# Altium PCB main_board.PcbDoc (part 2 of 2)
Units mil, origin at the board's own origin, x right, y up, seen from the top; angles counter-clockwise.
Board outline 11417.32 x 7421.26 mil, 2 copper layers (Top Layer, Bottom Layer); 174 components, 105 nets, 890 pads, 524 vias.
Unrouted connection lines stored in the file: 1.
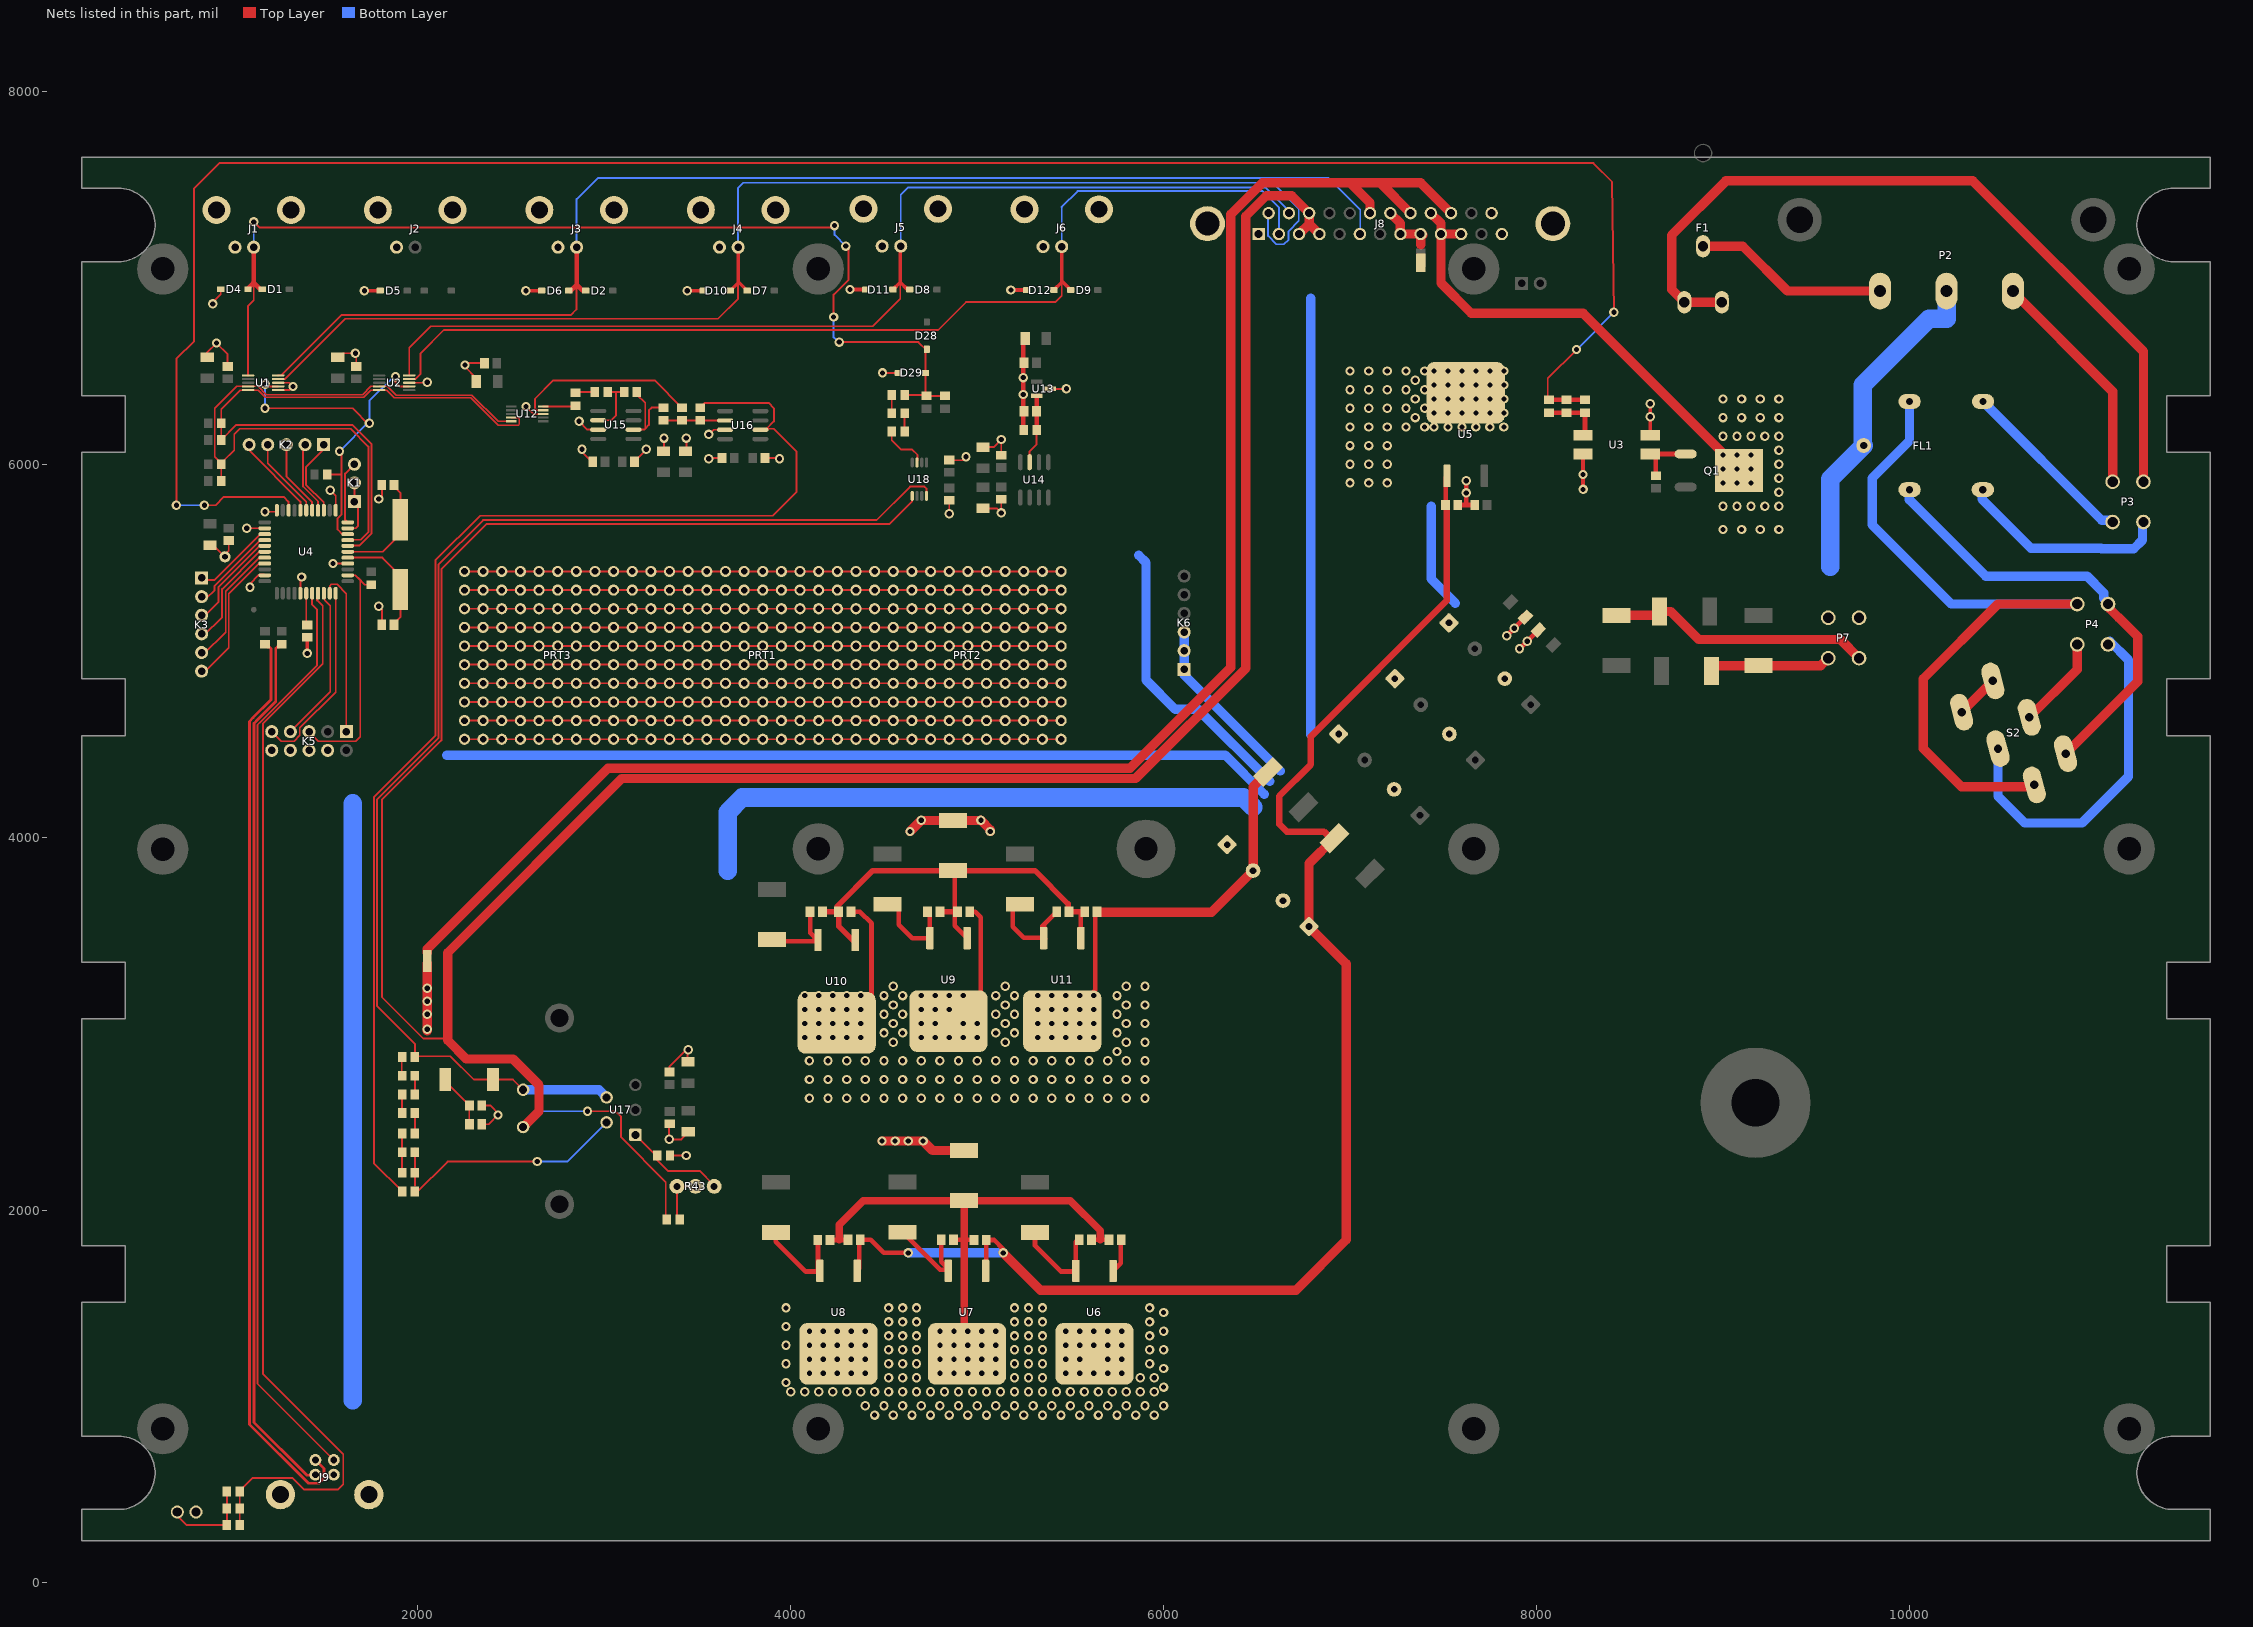
[diagram p2: the nets of this part, all layers, seen from the top]

## Via types
v1: diameter 50, hole 28, Top Layer to Bottom Layer, 524 vias

## Nets (pads, with @x,y where several pads share a name; then routed paths per layer and width w, separated by ;. In a path a pad name is that pad's centre, name@x,y a point inside that pad or via, vN(x,y) a via of type N, cw(c..) or ccw(c..) an arc to the next point about the centre after c; other vN are vias at no path point) (continued)
GND: C1.2 C2.2 C3.2 C4.2 C5.2 C6.2 C7.1 C8.2 C9.2 C10.2 C11.2 C18.2 C19.2 C20.2 C21.2 C22.1 C23.1 C24.1 C25.1 C32.2 C33.2 C34.2 C35.2 C36.2 C37.2 C38.2 C39.2 C40.2 C41.2 C42.2 C43.2 C44.2 C45.2 C46.2 C47.1 C48.1 C49.1 C50.1 C51.1 C52.1 C53.1 C54.1 D4.A D5.A D6.A D10.A D11.A D12.A D13.1 D18.K D21.A D29.A FL1.3 J1.2 J1.A J1.B J2.2 J2.A J2.B J3.2 J3.A J3.B J4.2 J4.A J4.B J5.2 J5.A J5.B J6.2 J6.A J6.B J8.1 J8.13 J8.25 J8.26 J8.27 J9.4 J10.1 K5.4 K5.6 K5.8 K5.10 K6.1 K6.2 K6.3 P2.2 P7.3 P7.4 pad.3 R17.2 R48.2 U1.1 U1.3 U2.3 U3.2 U3.4 U4.5 U4.15 U4.23 U4.33 U4.35 U4.43 U5.2 U12.8 U13.3 U15.3 U16.3 VR1.2 VR2.1 | length 25579.4
  Top Layer w10: C2.2@870,6574.17 870,6600 v1(920,6650) 980,6590 C1.2@980,6522.99 ; v1@900,6870 942.99,6912.99 D4.A@942.99,6938.82 ; C5.2@903.58,5566.42 960,5510 985.47,5535.47 C6.2@985.47,5592.01 ; pad.3@959.49,5509.49 pad.3@965.47,5503.5 ; v1(1082.52,5656.46) U4.35@1179.05,5656.46 ; v1(1100,5340) 1100,5360 1145,5405 1151,5405 1156,5410 1173.54,5410 U4.43@1179.05,5404.49 ; v1(1180,5745) 1236.1,5745 U4.33@1244.02,5752.91 ; U1.1@1250.71,6397.72 1310.63,6397.72 v1(1330,6417.09) 1310,6437.09 U1.3@1250.71,6437.09 ; U4.5@1370,5308.03 v1@1370,5388.98 ; v1(1530,5860) 1560,5830 U4.23@1560,5760 ; v1(1544.49,5467.48) U4.15@1623.94,5467.48 ; C4.2@1580,6575 1600,6595 v1(1665,6595) 1665,6605 1670,6610 C3.2@1670,6522.99 ; v1(1789.76,5238.66) 1808.27,5220.16 C8.2@1808.27,5138.66 ; v1(1789.76,5813.66) 1808.27,5832.17 C9.2@1808.27,5888.66 ; U2.3@1953.62,6437.09 v1@2050,6437.09 ; C35.2@2313.86,6443.78 2313.86,6461.5 2252.84,6522.52 v1(2252.84,6532.36) 2252.84,6542.21 C36.2@2359.13,6542.21 ; C37.2@2340,2460 C37.2@2343,2460 2380,2460 v1(2430,2510) ; C38.2@2343,2560 2390,2560 v1@2435,2515 ; v1(2579.69,6309.37) 2619.06,6270 U12.8@2671.95,6270 ; v1(2865.12,6230.32) 2909.8,6185.63 U15.3@2967.48,6185.63 ; v1(2880,6080) 2880,6066.14 2936.14,6010 C48.1@2939.92,6013.78 ; C40.2@3160.39,6013.78 3225,6078.39 v1(3225,6080) ; C39.2@3310,6070 3320,6080 v1(3320,6140) ; v1(3348,2379) C51.1@3348,2466 ; v1(3348,2379) 3414,2379 C50.1@3452,2417 ; C43.2@3349.5,2740 3349.5,2769.5 v1@3450,2870 ; R48.2@3352.45,2293 3439,2293 v1(3440,2292) ; C47.1@3440,6070 3430,6080 3440,6090 v1(3440,6140) ; C42.2@3445.48,2798.89 3445.48,2855.48 v1(3450,2860) ; v1(3560,6160) 3562.52,6160 3587.36,6184.84 U16.3@3647.99,6184.84 ; v1@3570,6030 3573.47,6033.47 C49.1@3632.84,6033.47 ; C41.2@3861.18,6033.47 3936.54,6033.47 v1(3940,6030) ; v1(4492.52,6490) D29.A@4577.17,6490 ; v1@4845,5735 4850,5740 C45.2@4850,5808.5 ; C53.1@4850,6021.5 4921.5,6021.5 v1@4930,6030 ; C44.2@5030.95,5762.76 5105.75,5762.76 v1(5129.37,5739.13) C46.2@5129.37,5813.94 ; C52.1@5030.95,6091.5 5088.03,6091.5 v1(5129.37,6132.84) C54.1@5129.37,6046.22 ; U13.3@5390.06,6404.27 5477.81,6404.27 v1(5478.58,6405.04)
  Top Layer w20: v1@1370,5388.98 v1(1376.5,5395.47) ; v1(1406.5,4985.47) C7.1@1406.5,5065.47 ; v1(1713.23,6931.02) D5.A@1797.87,6931.02 ; v1(2579.37,6931.02) D6.A@2664.02,6931.02 ; v1(3445.51,6931.02) D10.A@3530.16,6931.02 ; v1(4317.56,6936.93) D11.A@4402.21,6936.93 ; v1(5180.95,6934.17) D12.A@5265.59,6934.17 ; v1@8249.76,5854.88 v1(8249.76,5945.12) U3.2@8249.76,6055 ; U3.4@8610,6155 v1(8610,6255) v1@8610,6325
  Top Layer w25: C5.2@885.47,5566.42 C5.2@903.58,5566.42 ; pad.3@960,5510 pad.3@970,5500 ; R17.2@5247.48,6191.89 v1(5247.48,6374.53) v1(5247.48,6464.53) C32.2@5247.48,6674.53 ; C10.2@7575.79,5781.34 7623.03,5781.34 ; v1(7623.03,5911.26) v1(7623.03,5846.3) 7623.03,5781.34 ; C11.2@7670.28,5781.34 7623.03,5781.34 ; v1(7840.73,5080) v1(7880.73,5120) VR2.1@7940.37,5179.64 ; v1(7909.27,5010) v1(7950,5050.73) VR1.2@8009.63,5110.37
  Top Layer w50: v1@2050,2962 v1(2050,2970) v1(2050,3050) v1(2050,3120) v1(2050,3190) J10.1@2050,3322 J10.1@2050,3323.4 ; v1(4490,2370) v1(4560,2370) v1(4630,2370) v1(4710,2370) 4760.94,2319.06 D18.K@4930,2319.06 ; v1(4640,4030) 4699.06,4089.06 D21.A@4870,4089.06 5019.06,4089.06 v1(5020,4090) 5070,4040 v1(5070,4030)
  Bottom Layer w50: 2155,4440 6330,4440 6540,4230 ; 5866.14,5511.81 5905.51,5472.44 5905.51,4842.52 6062.99,4685.04 6184.96,4685.04 6570,4300 ; K6.3@6110,5110 K6.3@6110,5100 6110,4870 6625,4355 ; 6790,4550 6790,6890 ; 7435,5775 7435,5385 7565,5255
  Bottom Layer w100: 1650,980 1650,4180 ; 3661.42,3818.9 3661.42,4133.86 3740.16,4212.6 6427.4,4212.6 6480,4160 ; 9575,5450 9575,5920.5 FL1.3@9750,6095.5 ; FL1.3@9755,6100.5 FL1.3@9750,6095.5 ; P2.2@10200,6930 10200,6780 10105,6780 9750,6425 FL1.3@9750,6095.5
  other v1: 4700,4090 4850,5735 8249.88,5865 7000,5900 7100,5900 7200,5900 7000,6000 7100,6000 7200,6000 3560,6030 4940,6040 7000,6100 7100,6100 7200,6100 7000,6200 7100,6200 7200,6200 7300,6200 7400,6200 7450,6200 7525,6200 7600,6200 7675,6200 7750,6200 7825,6200 7350,6250 7450,6275 7525,6275 7600,6275 7675,6275 7750,6275 7825,6275 7000,6300 7100,6300 7200,6300 7300,6300 7400,6300 8609.88,6325 7350,6350 7450,6350 7525,6350 7600,6350 7675,6350 7750,6350 7825,6350 7000,6400 7100,6400 7200,6400 7300,6400 7400,6400 7450,6425 7525,6425 7600,6425 7675,6425 7750,6425 7825,6425 2050,6440 7350,6450 7000,6500 7100,6500 7200,6500 7300,6500 7400,6500 7450,6500 7525,6500 7600,6500 7675,6500 7750,6500 7825,6500 900,6860
Heater_N: J8.10 J8.11 J8.22 Q1.D | length 2530
  Top Layer w50: J8.22@7433.17,7346.54 7487.52,7292.19 J8.10@7487.52,7234.72 ; J8.11@7596.22,7234.72 J8.10@7487.52,7234.72 ; Q1.D@9086.3,5966.42 Q1.D@9086.3,5973.7 ; Q1.D@9086.3,5978.7 Q1.D@9086.3,5973.7 ; J8.10@7487.52,7234.72 7487.52,6972.48 7650,6810 8250,6810 9005,6055 9042.5,6017.5 9080,5980 Q1.D@9086.3,5973.7
  other v1: 9000,5650 9100,5650 9200,5650 9300,5650 9000,5775 9075,5775 9150,5775 9225,5775 9300,5775 9300,5850 9000,5900 9075,5900 9150,5900 9300,5925 9000,5975 9075,5975 9150,5975 9300,6000 9000,6050 9075,6050 9150,6050 9300,6075 9000,6150 9075,6150 9150,6150 9225,6150 9300,6150 9000,6250 9100,6250 9200,6250 9300,6250 9000,6350 9100,6350 9200,6350 9300,6350
Heater_P: J7.2 J8.8 J8.9 J8.20 | length 317.7
  Top Layer w50: J8.20@7215.77,7346.54 7270,7292.3 J8.8@7270,7230 ; J8.8@7270.12,7234.72 J8.9@7378.82,7234.72 ; 7378.82,7177.82 J8.9@7378.82,7234.72 ; J8.9@7390,7230 7385.28,7234.72 J8.9@7378.82,7234.72
I2C-SCL: R8.1 R9.1 U1.10 U2.10 U4.18 U12.4 | length 3477.6
  Top Layer w8: R8.1@944.45,6130 944.45,6204.45 R9.1@950,6210 ; R9.1@944.45,6220 944.45,6294.45 1047.72,6397.72 ; 1040,6390 1047.72,6397.72 ; U2.10@1772,6398 1771.72,6397.72 1748.34,6397.72 1710.63,6360 1180.7,6360 1142.99,6397.72 U1.10@1089.29,6397.72 1047.72,6397.72 ; U2.10@1792.21,6397.72 1832.48,6397.72 1874.2,6356 2284,6356 2430,6210 2540,6210 2545,6215 2545,6245 2539.69,6250.32 U12.4@2500.95,6250.32
  Top Layer w10: R8.1@944.45,6130 1024.45,6210 1650,6210 1751,6109 1751,5628.37 1687.63,5565 U4.18@1640,5565
I2C-SDA: R6.1 R7.1 U1.9 U2.9 U4.19 U12.5 | length 3652.6
  Top Layer w8: R6.1@944.45,5910 944.45,5984.45 R7.1@950,5990 ; 954.45,6344.45 1027.4,6417.4 U1.9@1089.29,6417.4 1143.1,6417.4 1186.5,6374 1704,6374 1747.4,6417.4 1770.4,6417.4 U2.9@1771,6418 ; U2.9@1792.21,6417.4 1835.6,6417.4 1883,6370 2290,6370 2430,6230 U12.5@2490,6230
  Top Layer w10: R7.1@944.45,6000 947.22,6002.78 910.81,6039.19 910.81,6300.81 954.45,6344.45 ; R7.1@955,6015 1015,6075 1015,6160 1045,6190 1640,6190 1735,6095 1735,5635 1695,5595 U4.19@1620,5595
LED1: R12.2 R14.2 R15.2 U4.8 | length 5910
  Top Layer w10: R15.2@1044.45,310 R14.2@1044.45,400 R12.2@1044.45,490 1044.45,493.94 1113.98,563.47 1326.3,563.47 1389.76,500 1570,500 1600,530 1600,680 1600,690 1170,1120 1170,4610 1490,4930 1490,5240 1460,5270 1460,5303.54 U4.8@1464.49,5308.03
MCU_SPARE_21: K1.1 K1.2 U4.21 | length 251.7
  Top Layer w10: U4.21@1623.94,5656.46 1666.46,5656.46 1680,5670 K1.1@1680,5770 ; K1.1@1660,5810 K1.2@1660,5900
MCU_SPARE_22: K1.3 U4.22 | length 338.5
  Top Layer w10: U4.22@1623.94,5687.95 1610,5701.89 1610,5950 K1.3@1660,6000
MCU_SPARE_25: K2.1 U4.25 | length 423.7
  Top Layer w10: U4.25@1495,5760 1495,5795 1400,5890 1400,5985 1495,6080 K2.1@1495,6105
MCU_SPARE_26: K2.2 U4.26 | length 390
  Top Layer w10: K2.2@1395,6105 1384,6094 1384,5881 1464.49,5800.51 U4.26@1464.49,5752.91
MCU_SPARE_27: K2.3 U4.27 | length 409.2
  Top Layer w10: K2.3@1295,6105 1295,5935 1432.99,5797.01 U4.27@1432.99,5752.91
MCU_SPARE_28: K2.4 U4.28 | length 437.6
  Top Layer w10: K2.4@1195,6105 1195,6005 1401.5,5798.5 U4.28@1401.5,5752.91
MCU_SPARE_29: K2.5 U4.29 | length 466
  Top Layer w10: K2.5@1095,6105 1095,6075 1370,5800 U4.29@1370,5752.91
MCU_SPARE_36: K3.1 U4.36 | length 409.4
  Top Layer w10: K3.1@850,5380 910,5380 1150,5620 U4.36@1160,5620
MCU_SPARE_37: K3.2 U4.37 | length 472.4
  Top Layer w10: K3.2@850,5280 865.59,5280 910,5324.41 910,5347.4 1152.6,5590 1175.59,5590 U4.37@1179.05,5593.46
MCU_SPARE_38: K3.3 U4.38 | length 534.1
  Top Layer w10: K3.3@850,5180 930,5260 930,5340 1151.97,5561.97 U4.38@1179.05,5561.97
MCU_SPARE_39: K3.4 U4.39 | length 603.5
  Top Layer w10: K3.4@850,5080 950,5180 950,5330 1150.47,5530.47 U4.39@1179.05,5530.47
MCU_SPARE_40: K3.5 U4.40 | length 672.9
  Top Layer w10: K3.5@850,4980 970,5100 970,5320 1148.98,5498.98 U4.40@1179.05,5498.98
MCU_SPARE_41: K3.6 U4.41 | length 714.3
  Top Layer w10: K3.6@850,4880 986,5016 986,5306 U4.41@1150,5470
NetC7_2: C7.2 U4.6 | length 164.6
  Top Layer w8: C7.2@1401.5,5150.47 C7.2@1406.5,5145.47
  Top Layer w10: C7.2@1401.5,5150.47 U4.6@1401.5,5308.03
NetC10_1: C10.1 C12.1 C14.1 C16.1 C21.1 D17.K U5.1 U6.1 U7.1 U8.1 | length 8274.1
  Top Layer w25: U8.1@4366.81,1684.06 C16.1@4366.81,1839.06 ; C16.1@4373,1840 4430,1840 4500,1770 v1(4630,1770) ; U7.1@5044.92,1673.82 U7.1@5047.28,1676.18 ; U7.1@5050,1675 5048.79,1676.21 5048.79,1681.21 U7.1@5050,1680 ; U7.1@5050,1710 5048.79,1711.21 C14.1@5048.79,1839.06 5090.94,1839.06 v1@5140,1790 ; C14.1@5050,1825 C14.1@5060.02,1835.02 ; U6.1@5729.09,1673.21 5770,1714.12 C12.1@5770,1830 ; C10.1@7512.8,5781.34 7512.8,5930.3 U5.1@7520,5937.5
  Top Layer w35: D17.K@6895.83,3994.17 6860,4030 6660,4030 6620,4070 6620,4220 6790,4390 6790,4540 7519.2,5269.2 C10.1@7519.2,5765
  Top Layer w50: v1(5140,1770) 5340,1570 6710,1570 6980,1840 6980,3320 C21.1@6780,3520 ; C21.1@6779.6,3520.4 C21.1@6780,3520 ; D17.K@6895.83,3994.17 D17.K@6915.83,3994.17 6780,3858.34 C21.1@6780,3520
  Bottom Layer w50: v1(4630,1770) v1(5140,1770)
NetC12_2: C12.2 C13.2 C14.2 C15.2 C16.2 C17.2 D18.A U6.2 U7.2 U8.2 | length 2824.1
  Top Layer w25: C17.2@4209.33,1839.06 4210.27,1840 4260,1840 ; C17.2@4210.83,1839.06 4260,1839.06 4299.06,1839.06 C16.2@4300,1840 ; C16.2@4302.32,1839.06 C16.2@4303.82,1839.06 ; C15.2@4873,1840 4930,1840 C14.2@4980,1840 ; U7.2@4935.93,1350.12 4935.93,1350.03 4936.15,1348.27 4945.31,1275.04 U7.2@4944.92,1228.82 ; C13.2@5620,1830 5630,1840 5660,1840 5700,1840 C12.2@5710,1830 ; U6.2@5629.09,1228.21 U6.2@5660,1259.12
  Top Layer w40: 4260,1839.06 4260,1840 4260,1920 4390,2050 D18.A@4930,2050 ; U7.2@4930,1390 4930,1840 D18.A@4930,2050 ; 5660,1840 5660,1890 5500,2050 D18.A@4930,2050
  other v1: 4450,900 4550,900 4650,900 4750,900 4850,900 4950,900 5050,900 5150,900 5250,900 5350,900 5450,900 5550,900 5650,900 5750,900 5850,900 5950,900 4400,950 4500,950 4600,950 4700,950 4800,950 4900,950 5000,950 5100,950 5200,950 5300,950 5400,950 5500,950 5600,950 5700,950 5800,950 5900,950 6000,950 4000,1025 4075,1025 4150,1025 4225,1025 4300,1025 4375,1025 4450,1025 4525,1025 4600,1025 4675,1025 4750,1025 4825,1025 4900,1025 4975,1025 5050,1025 5125,1025 5200,1025 5275,1025 5350,1025 5425,1025 5500,1025 5575,1025 5650,1025 5725,1025 5800,1025 5875,1025 5950,1025 6000,1050 3975,1075 4525,1100 4600,1100 4675,1100 5200,1100 5275,1100 5350,1100 5875,1100 5950,1100 4100,1125 4175,1125 4250,1125 4325,1125 4400,1125 4800,1125 4875,1125 4950,1125 5025,1125 5100,1125 5475,1125 5550,1125 5625,1125 5700,1125 5775,1125 6000,1150 3975,1175 4525,1175 4600,1175 4675,1175 5200,1175 5275,1175 5350,1175 5925,1175 4100,1200 4175,1200 4250,1200 4325,1200 4400,1200 4800,1200 4875,1200 4950,1200 5025,1200 5100,1200 5475,1200 5550,1200 5700,1200 5775,1200 4525,1250 4600,1250 4675,1250 5200,1250 5275,1250 5350,1250 5925,1250 6000,1250 3975,1275 4100,1275 4175,1275 4250,1275 4325,1275 4400,1275 4800,1275 4875,1275 4950,1275 5025,1275 5100,1275 5475,1275 5550,1275 5625,1275 5700,1275 5775,1275 4525,1325 4600,1325 4675,1325 5200,1325 5275,1325 5350,1325 5925,1325 4100,1350 4175,1350 4250,1350 4325,1350 4400,1350 4800,1350 4875,1350 4950,1350 5025,1350 5100,1350 5475,1350 5550,1350 5625,1350 5700,1350 5775,1350 6000,1350 3975,1375 4525,1400 4600,1400 4675,1400 5200,1400 5275,1400 5350,1400 5925,1400 6000,1450 3975,1475 4525,1475 4600,1475 4675,1475 5200,1475 5275,1475 5350,1475 5925,1475
NetC13_1: C13.1 D15.A U6.3 | length 519.3
  Top Layer w25: D15.A@5310,1880 5310,1810 5450,1670 U6.3@5530,1670 ; U6.3@5529.09,1673.21 5529.09,1829.09 C13.1@5540,1840
NetC15_1: C15.1 D16.A U7.3 | length 486.9
  Top Layer w25: D16.A@4600,1880.94 4800.94,1680 U7.3@4840,1680 ; C15.1@4807,1840 4807,1723 U7.3@4840,1690
NetC17_1: C17.1 D14.A U8.3 | length 511.3
  Top Layer w25: D14.A@3920,1880 3920,1830 4080,1670 U8.3@4160,1670 ; U8.3@4146.34,1684.06 C17.1@4146.34,1839.06
NetC25_2: C25.2 C28.2 C30.2 C31.2 D24.A U9.2 U10.2 U11.2 | length 3452.7
  Top Layer w25: C31.2@4333.69,3586.31 4347.38,3600 4371.3,3600 4433.39,3537.91 U10.2@4433.39,3085.16 ; C30.2@4960,3600 4990,3600 5020,3570 U9.2@5020,3000 ; U11.2@5464.09,3009.74 5464.67,3010.32 5539.67,3085.33 5614.67,3160.33 5634.17,3179.82 C28.2@5634.17,3577.28
  Top Layer w50: U10.2@4361.57,3013.35 U10.2@4433.39,3085.16 ; C28.2@5650,3600 5653.03,3596.97 6256.97,3596.97 6480,3820 6480,4270.5 D24.A@6559.75,4350.25
  other v1: 4100,2600 4200,2600 4300,2600 4400,2600 4500,2600 4600,2600 4700,2600 4800,2600 4900,2600 5000,2600 5100,2600 5200,2600 5300,2600 5400,2600 5500,2600 5600,2600 5700,2600 5800,2600 5900,2600 4100,2700 4200,2700 4300,2700 4400,2700 4500,2700 4600,2700 4700,2700 4800,2700 4900,2700 5000,2700 5100,2700 5200,2700 5300,2700 5400,2700 5500,2700 5600,2700 5700,2700 5800,2700 5900,2700 4100,2800 4200,2800 4300,2800 4400,2800 4500,2800 4600,2800 4700,2800 4800,2800 4900,2800 5000,2800 5100,2800 5200,2800 5300,2800 5400,2800 5500,2800 5600,2800 5700,2800 5800,2800 5900,2800 5750,2850 4550,2900 5150,2900 5800,2900 5900,2900 4075,2925 4150,2925 4225,2925 4300,2925 4375,2925 4700,2925 4775,2925 4850,2925 4925,2925 5000,2925 5325,2925 5400,2925 5475,2925 5550,2925 5625,2925 4500,2950 4600,2950 5100,2950 5200,2950 5750,2950 4075,3000 4150,3000 4225,3000 4300,3000 4375,3000 4550,3000 4700,3000 4775,3000 4925,3000 5000,3000 5150,3000 5325,3000 5400,3000 5475,3000 5550,3000 5625,3000 5800,3000 5900,3000 4500,3050 4600,3050 5100,3050 5200,3050 5750,3050 4075,3075 4150,3075 4225,3075 4300,3075 4375,3075 4700,3075 4775,3075 4850,3075 5325,3075 5400,3075 5475,3075 5550,3075 5625,3075 4550,3100 5150,3100 5800,3100 5900,3100 4075,3150 4150,3150 4225,3150 4300,3150 4375,3150 4500,3150 4600,3150 4700,3150 4775,3150 4850,3150 4925,3150 5100,3150 5200,3150 5325,3150 5400,3150 5475,3150 5550,3150 5625,3150 5750,3150 4550,3200 5150,3200 5800,3200 5900,3200
NetC26_1: C26.1 C27.1 C28.1 C29.1 C30.1 C31.1 D21.K U9.1 U10.1 U11.1 | length 2417.1
  Top Layer w25: D21.K@4880,3810 4880,3600 4880,3524.64 U9.1@4946.3,3458.35 ; C30.1@4890,3600 C30.1@4894,3600 ; U11.1@5556.3,3458.35 5556.3,3596.3 C28.1@5560,3600
  Top Layer w30: C27.1@4170,3600 4240,3600 C31.1@4245,3595 ; C31.1@4250,3600 4250,3630 4440,3820 D21.K@4870,3820 5310,3820 5487.76,3642.24 C29.1@5487.76,3600 ; C31.1@4257,3600 4257,3523 U10.1@4340,3440 ; C26.1@4800,3600 4880,3600 C30.1@4890,3600 ; C29.1@5493,3600 C28.1@5560,3600
NetC26_2: C26.2 D25.K U9.3 | length 466.4
  Top Layer w25: D25.K@4550,3660 4580,3630 4580,3530 4651.65,3458.35 U9.3@4746.3,3458.35 C26.2@4746.3,3586.3
NetC27_2: C27.2 D26.K U10.3 | length 365.3
  Top Layer w25: D26.K@3940,3440.94 4139.06,3440.94 U10.3@4140,3440 ; C27.2@4104,3600 4104,3486 U10.3@4140,3450
NetC29_2: C29.2 D27.K U11.3 | length 571.8
  Top Layer w25: D27.K@5190,3640.94 5190,3520 5250,3460 5340,3460 5350,3450 5350,3523 5360,3533 ; U11.3@5364.09,3454.74 5360,3458.84 5360,3533 ; C29.2@5427,3600 5360,3533
NetC34_1: C34.1 R17.1 U13.2 U14.3 | length 371.7
  Top Layer w10: U14.3@5281.54,6010.79 5281.54,6068.47 5319.08,6106.01 R17.1@5319.08,6184.27 R17.1@5319.2,6184.39
  Top Layer w25: R17.1@5319.2,6184.39 U13.2@5319.2,6366.87
NetC37_1: C37.1 C38.1 R34.1 | length 257.9
  Top Layer w10: R34.1@2150,2675 2162,2675 C38.1@2275.55,2561.45 ; C38.1@2277,2560 C38.1@2275.55,2561.45 ; C37.1@2280,2480 2275.55,2484.45 C38.1@2275.55,2561.45
NetD1_A: D1.A D4.K D28.A D29.K J1.1 R45.1 R46.1 R47.1 U1.6 | length 5705.6
  Top Layer w10: U1.6@1089.29,6476.46 1089.29,6849.29 1119.53,6879.53 1119.53,6973.15 ; v1(1120,7300) 1150,7270 v1@4235,7270 ; v1(4230,6790) 4230,6910 4310,6990 4310,7155 v1(4295,7170) ; v1(4260,6655) 4685,6655 D28.A@4730,6610 ; R45.1@4610.63,6371.89 R47.1@4713.98,6371.89 ; D28.A@4722.84,6608.11 D29.K@4722.84,6490 4722.84,6372.87 R47.1@4728.74,6366.97 R46.1@4822.24,6366.97
  Top Layer w25: D4.K@1086.69,6940.31 1119.53,6973.15 ; 1117.84,6974.84 1119.53,6973.15 ; J1.1@1119.53,7164.09 1119.53,6973.15 ; D1.A@1153.84,6938.84 1119.53,6973.15
  Bottom Layer w10: J1.1@1120,7160 v1(1120,7300) ; v1(4230,6790) 4230,6680 4260,6650 v1(4260,6655) ; v1(4235,7280) 4235,7230 v1(4295,7170)